# KiCad board PCB.kicad_pcb (continued)
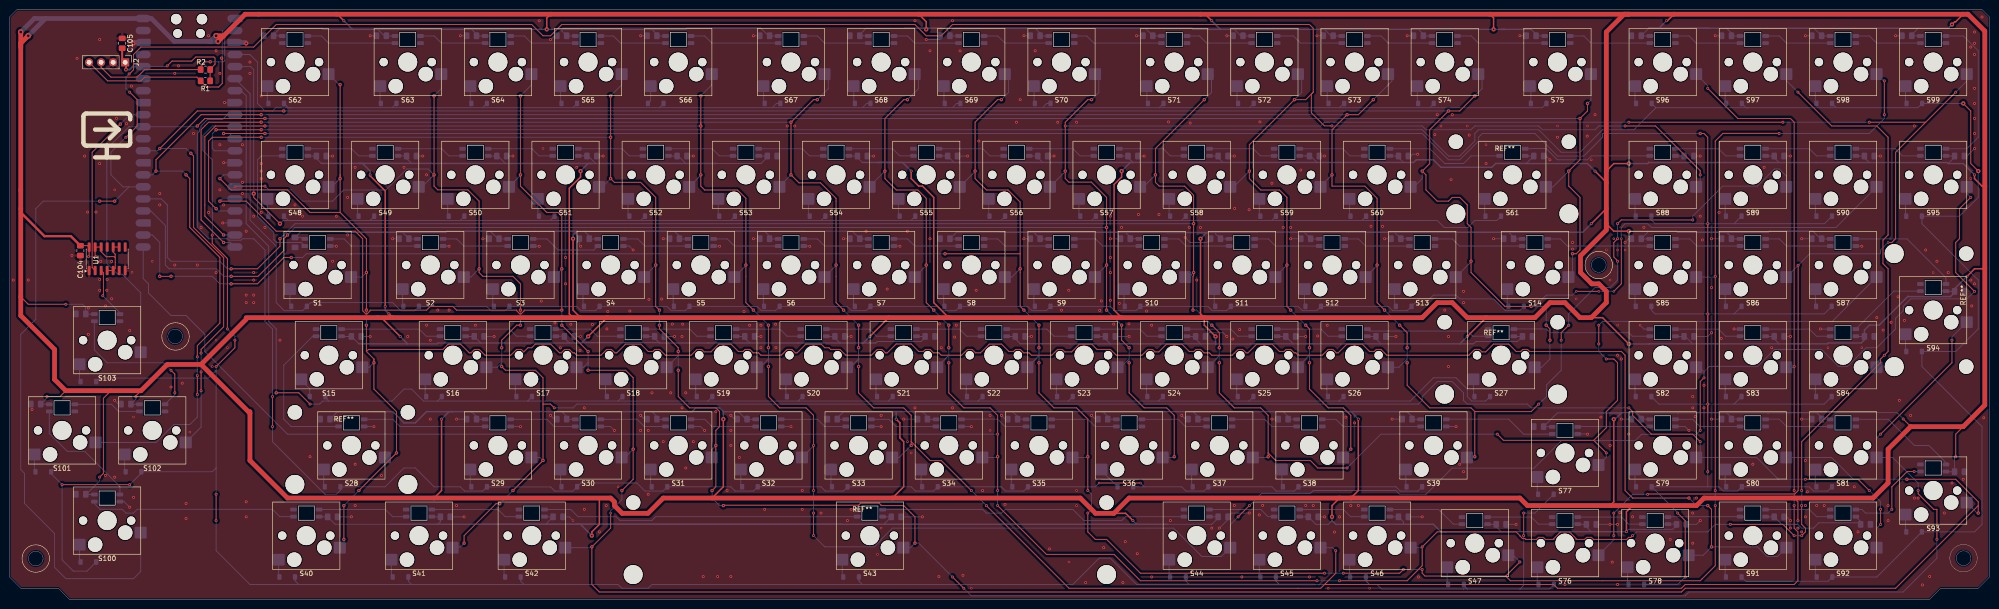
[diagram p0: board, top side]
## Routing (per net, layer and track width the routed paths; a pad name or vN(x,y) marks a point on that pad's centre or on a via; arc(x,y) is an arc through that point) (continued)
GND: length 226.7
  Bottom w0.2: v2(119.06,16.67) 118.26,17.46 C8.2 ; D150.3 345.3,57.1 v2(344.47,57.94) ; C30.2 153.18,38.1 v1(152.39,38.89) ; v1(22.22,42.07) 23.02,41.27 C3.2 ; C44.2 v1(273.83,55.56) ; D132.3 165.05,36.55 v1(165.09,36.51) ; C93.2 v1(238.11,119.06) ; v1(376.21,16.67) 375.42,17.46 C16.2 ; C67.2 v1(68.26,93.66) ; C91.2 v1(276.21,119.06) ; v1(339.7,15.87) v1(338.12,15.87) C14.2 ; D164.3 188.06,74.65 v1(188.11,74.61) ; C70.2 v1(125.4,93.66) ; v1(76.99,36.51) 76.95,36.55 D136.3 ; C11.2 v1(277.8,17.46) ; C48.2 v1(376.21,55.56) ; v1(133.34,38.89) 134.14,38.1 C31.2 ; C56.2 252.95,75.4 249.42,75.4 v1(248.38,76.45) ; v1(120.64,74.61) 120.4,74.85 C63.2 ; v1(114.29,118.26) 115.09,119.06 C99.2 ; C94.2 v1(214.3,119.06) ; C89.2 v1(319.07,119.06) ; C60.2 v1(176.2,76.2) ; C98.2 v1(133.34,119.06) ; C75.2 v1(220.65,93.66) ; D166.3 149.97,74.65 v1(150.01,74.61) ; C20.2 v1(359.55,38.1) ; A1.13 45.28,92.23 v1(45.26,92.25) ; C86.2 v1(398.44,119.06) ; v1(382.56,57.15) 382.61,57.1 D152.3 ; D133.3 146,36.55 v1(146.83,35.72) ; v1(131.75,73.81) 130.92,74.65 D167.3 ; v1(228.59,38.89) 229.38,38.1 C26.2 ; v1(203.19,36.51) 203.14,36.55 D130.3 ; C5.2 v1(72.23,17.46) ; C32.2 115.09,38.1 v1(114.29,38.89) ; v1(193.66,118.26) 196.53,118.26 196.59,118.33 C95.2 ; C13.2 v1(318.27,15.87) ; C45.2 v1(292.88,55.56) ; C73.2 v1(182.55,93.66) ; C61.2 v1(157.15,76.2) ; D154.3 391.25,74.65 v1(391.29,74.61) ; C103.2 v1(360.34,119.06) ; C47.2 358.75,55.56 v1(359.55,56.35) ; C15.2 356.37,15.87 v1(357.17,16.67) ; C83.2 v1(376.21,93.66) ; C57.2 v1(270.65,76.2) ; C54.2 v1(313.51,76.2) ; C52.2 v1(359.55,76.2) ; C39.2 v1(177.79,55.56) ; C77.2 v1(258.75,93.66) ; D169.3 92.82,74.65 v1(92.86,74.61) ; v1(45.43,104.95) 45.46,104.93 A1.8 ; D134.3 126.95,36.55 v1(127.79,35.72) ; C35.2 v1(102.39,55.56) ; C80.2 324.62,93.66 v1(325.42,92.86) ; D125.3 305.53,36.55 v1(305.57,36.51) ; C7.2 v1(96.04,17.46) ; C76.2 v1(239.7,93.66) ; C68.2 v1(87.31,93.66) ; C42.2 v1(236.52,55.56) ; v1(415.11,95.24) 413.52,93.66 C85.2 ; C53.2 342.08,76.2 v1(341.29,75.4) ; C78.2 v1(277.8,93.66) ; C100.2 v1(95.24,119.06) ; C12.2 v1(298.43,17.46) ; C79.2 296.05,93.66 296.44,94.04 v1(297.46,94.04) ; D124.3 333.31,34.97 v1(333.35,34.92) ; D165.3 169.01,74.65 v1(169.06,74.61) ; v1(45.05,79.53) 45.06,79.53 A1.18 ; C55.2 v1(290.49,76.2) ; v1(107.94,36.51) 107.9,36.55 D135.3 ; C59.2 v1(214.3,76.2) ; C62.2 v1(138.1,76.2) ; C65.2 v1(80.96,76.2) ; v1(25.4,19.49) 24.21,20.68 D107.3 ; C74.2 v1(202.39,93.66) ; C24.2 v1(266.68,38.1) ; C82.2 v1(357.17,93.66) ; v1(354.78,35.72) 353.95,36.55 D123.3 ; C41.2 v1(215.89,55.56) ; C92.2 v1(257.16,119.06) ; C37.2 v1(140.48,55.56) ; C21.2 v1(340.5,38.1) ; D131.3 184.09,36.55 v1(184.14,36.51) ; C23.2 v1(292.08,38.1) ; v1(255.57,15.08) 257.4,16.91 C10.2 258.2,18.26 v1(261.92,18.26) ; v1(364.31,57.15) 364.35,57.1 D151.3 ; C33.2 v1(94.45,38.1) ; C87.2 v1(379.39,119.06) ; D168.3 111.87,74.65 v1(111.91,74.61) ; v1(69.05,74.61) 69.01,74.65 D170.3 ; C43.2 253.43,56.35 256.37,56.35 v1(257.16,55.56) ; C71.2 v1(144.45,93.66) ; C27.2 210.33,38.1 v1(209.54,38.89) ; C28.2 v1(188.9,38.1) ; C51.2 v1(378.59,76.2) ; C90.2 v1(295.26,119.06) ; C84.2 v1(395.26,93.66) ; C34.2 v1(76.2,55.56) ; C101.2 v1(76.2,119.06) ; C58.2 v1(232.55,76.2) ; v1(247.63,38.89) 248.43,38.1 C25.2 ; C69.2 v1(106.36,93.66) ; C97.2 v1(157.15,119.06) ; C36.2 v2(120.64,55.56) ; C64.2 v1(100.01,76.2) ; C9.2 v1(192.87,17.46) ; C19.2 v1(378.59,38.1) ; C38.2 v1(158.74,55.56)
  Bottom w1: v4(50,117.47) 49.84,117.63 A1.3 ; A1.38 26.35,117.63 v4(26.19,117.47)
  vias: v1(0.79,67.46) v1(3.97,67.46) v1(4.76,40.13) v1(13.2,72.67) v1(14.29,114.29) v1(14.98,69.12) v1(15.87,93.66) v1(16.5,81.82) v1(16.67,61.56) v1(16.67,56) v1(18.28,81.82) v1(19.05,118.26) v1(19.05,92.07) v1(19.05,67.59) v1(19.04,65.31) v1(19.3,71.4) v1(20.26,26.22) v1(20.31,62) v1(20.57,65.31) v1(20.64,67.59) v1(21.58,71.4) v1(21.58,63.53) v1(22.22,25.84) v1(22.6,101.63) v1(24.73,100.49) v1(25.4,56.8) v1(25.78,108.43) v1(26.2,21.58) v1(31.75,85.72) v1(31.75,83.34) v1(34.13,44.89) v1(34.92,111.12) v1(34.92,70.64) v1(35.72,112.71) v1(36.51,45.69) v1(37.3,20.29) v1(37.3,17.11) v1(38.89,98.42) v1(39.69,70.64) v1(40.48,78.58) v1(42.07,119.06) v1(42.07,81.75) v1(43.65,115.88) v1(43.65,69.05) v1(44.45,111.12) v1(44.45,96.04) v1(44.45,86.51) v1(45.24,83.34) v1(49.21,96.04) v1(49.21,88.1) v1(49.21,85.72) v1(50,77.78) v1(50,64.29) v1(50,62.7) v1(50,20.64) v1(50,17.46) v1(50.8,113.5) v1(50.8,111.12) v1(51.59,80.96) v1(51.59,69.05) v1(51.59,67.46) v1(51.59,64.29) v1(51.59,62.7) v1(53.18,106.36) v1(53.18,92.07) v1(53.18,90.48) v1(53.18,88.89) v1(53.18,81.75) v1(53.97,78.58) v1(57.15,54.77) v1(60.32,83.34) v1(61.91,80.96) v1(63.5,30.16) v1(68.26,71.43) v1(69.05,80.96) v1(71.43,84.93) v1(71.43,76.99) v1(73.02,91.28) v1(73.02,28.57) v1(73.02,19.84) v1(78.58,26.19) v1(83.34,91.28) v1(84.13,55.56) v1(88.1,89.69) v1(88.1,57.94) v1(88.89,54.77) v1(88.89,38.1) v1(90.48,61.11) v1(92.86,61.11) v1(94.45,19.84) v1(98.42,57.94) v1(111.91,122.23) v1(112.34,63.02) v1(115.23,58.43) v1(116.36,53.16) v1(117.47,72.23) v1(117.47,66.67) v1(118.58,58.13) v1(119.85,91.28) v1(120.54,52.63) v1(121.44,40.48) v1(121.44,19.05) v1(123.15,58.11) v1(124.61,14.29) v1(126.07,19.83) v1(126.2,57.15) v1(126.4,60.85) v1(131.06,60.93) v1(133.34,35.72) v1(134.93,35.72) v1(134.93,22.22) v1(135.08,63.39) v1(135.72,43.65) v1(137.78,63.46) v1(138.1,33.34) v1(139.69,43.65) v1(140.03,58.16) v1(142.07,55.56) v1(142.07,40.48) v1(142.21,58.15) v1(142.87,43.65) v1(142.87,27.78) v1(144.45,33.34) v1(146.55,4.85) v1(149.22,39.69) v1(149.6,4.85) v1(151.6,43.65) v1(151.6,23.02) v1(152.39,35.72) v1(152.39,32.54) v1(152.39,4.85) v1(154.17,30) v1(155.17,60.84) v1(156.36,57.94) v1(158.74,57.94) v1(158.74,53.18) v1(159.53,19.05) v1(161.85,58.15) v1(161.91,53.18) v1(164.3,100.01) v1(165.88,100.01) v1(167.47,23.02) v1(167.47,19.05) v1(171.44,18.26) v1(177,16.67) v1(177.79,19.05) v1(180.96,77.78) v1(184.14,38.89) v1(185.41,65.56) v1(189.69,77.78) v1(191.28,122.23) v1(191.28,40.48) v1(194.46,115.88) v1(194.46,76.2) v1(196.34,4.85) v1(196.45,58.21) v1(196.84,53.18) v1(199.22,122.23) v1(199.22,40.48) v1(199.67,55.42) v1(200.01,57.94) v1(200.81,115.88) v1(201.42,5.11) v1(204.21,65.31) v1(204.77,96.83) v1(205.57,23.02) v1(207.16,38.89) v1(210.31,20.09) v1(212.71,100.8) v1(213.51,105.56) v1(216.68,115.88) v1(219.7,10.7) v1(221.44,100.8) v1(222.24,62.7) v1(222.24,61.11) v1(223.77,65.31) v1(225.41,100.8) v1(227.32,3.58) v1(230.32,61.06) v1(230.65,63.07) v1(231.13,10.95) v1(232.55,80.96) v1(232.55,72.23) v1(232.55,69.05) v1(232.55,63.19) v1(233.26,58.16) v1(234.44,62.54) v1(234.94,78.58) v1(235.2,3.58) v1(235.71,12.22) v1(236.49,58.22) v1(238.25,9.68) v1(238.5,81.31) v1(240.2,60.91) v1(241.28,57.94) v1(241.28,4.76) v1(242.82,81.31) v1(244.85,100.87) v1(245.25,16.67) v1(249.22,78.58) v1(249.42,100.61) v1(250.81,67.46) v1(251.6,78.58) v1(253.98,15.08) v1(258.43,55.02) v1(258.75,19.84) v1(258.82,82.58) v1(259.86,57.01) v1(260.33,4.76) v1(261.87,82.32) v1(264.02,17.87) v1(264.15,100.87) v1(264.74,19.89) v1(266.69,87.91) v1(269.06,78.58) v1(270.65,78.58) v1(272.79,90.71) v1(273.83,19.84) v1(274.62,4.76) v1(275.41,19.84) v1(276.37,55.66) v1(278.36,57.92) v1(279.9,14.25) v1(280.97,17.46) v1(282.3,38.51) v1(283.35,19.84) v1(284.14,37.3) v1(284.94,19.84) v1(287.62,78.83) v1(290.04,78.81) v1(297.64,4.76) v1(301.09,98.17) v1(301.61,102.39) v1(303.19,61.11) v1(303.99,55.56) v1(303.99,49.21) v1(304.54,88.67) v1(304.78,102.39) v1(306.37,28.57) v1(307.16,65.08) v1(307.16,62.7) v1(307.16,26.99) v1(308.36,98.09) v1(311.92,92.07) v1(327,97.63) v1(328.59,3.17) v1(330.18,75.4) v1(330.19,73.99) v1(333.29,97.86) v1(334.94,102.39) v1(336.19,38.53) v1(338.12,32.54) v1(338.58,7.9) v1(339.7,51.59) v1(339.7,3.17) v1(340.19,18.35) v1(340.5,50.8) v1(342.08,34.92) v1(342.88,17.46) v1(345.26,78.58) v1(350.82,12.7) v1(355.58,42.86) v1(355.58,40.48) v1(355.58,18.26) v1(355.58,11.91) v1(356.1,38.64) v1(356.37,21.43) v1(357.17,80.96) v1(357.63,75.94) v1(357.96,45.24) v1(357.96,40.48) v1(359.55,65.88) v1(361.13,81.75) v1(361.6,55.13) v1(368.28,28.57) v1(370.66,91.28) v1(372.25,53.18) v1(376.21,15.08) v1(379.39,29.37) v1(379.39,17.46) v1(379.79,22.75) v1(381.77,19.84) v1(383.36,19.84) v1(389.71,23.81) v1(390.5,14.29) v1(394.47,59.53) v1(395.81,56.89) v1(396.85,19.84) v1(396.85,16.67) v1(397.48,58.55) v1(398.95,63.93) v1(399.23,42.07) v1(400.3,58.96) v1(401.61,38.89) v1(402.41,100.01) v1(402.41,21.43) v1(403.2,21.43) v1(404.11,3.08) v1(404.79,73.81) v1(405.63,4.85) v1(407.17,71.43) v1(408.76,18.26) v1(409.55,69.05) v1(410.34,24.6) v1(412.72,25.4) v1(414.31,116.67) v1(414.31,67.46) v1(414.52,62) v1(415.11,119.85) v1(415.11,117.47) v1(415.11,115.09) v1(415.11,107.94) v1(415.11,104.77) v1(415.11,101.59) v1(415.11,98.42) v1(415.11,66.67) v1(416.69,123.02) v1(417.06,38.38) v2(22.22,86.51) v2(25.9,69.12) v2(26.19,38.54) v2(30.16,71.43) v2(38.1,35.37) v2(42.86,49.21) v2(43.65,54.77) v2(46.03,53.18) v2(112.71,95.24) v2(128.58,23.81) v2(183.34,9.52) v2(184.14,15.08) v2(189.69,33.34) v2(190.49,30.95) v2(203.19,2.38) v2(207.16,35.72) v2(223.82,7.94) v2(225.41,23.02) v2(225.41,19.84) v2(278.59,2.38) v2(287.32,2.38) v2(302.4,100.01) v2(307.96,100.01) v2(311.92,96.04) v2(327,100.01) v2(330.97,63.5) v2(333.35,100.01) v2(334.15,92.86) v2(337.35,73.86) v2(338.12,67.46) v2(339.7,73.81) v2(339.7,57.94) v2(341.29,73.81) v2(384.15,53.18) v2(391.29,53.18) v2(406.37,69.05) v2(414.31,88.89)
(no net):
  vias: v1(377.8,15.08) v1(378.59,14.29) v1(379.39,19.84) v2(338.91,76.2)
COL 0: length 535.1
  Top w0.2: v3(76.99,50) 76.99,50.8 ; 76.99,50.8 75.4,52.38 ; 76.99,50.8 76.99,44.45 81.75,39.69 v3(81.75,30.95) v3(73.81,23.02) ; 75.4,52.38 v3(75.4,57.94) ; 75.4,52.38 75.83,52.82 91.56,52.82 92.68,53.94 95.27,53.94 97.12,52.1 97.51,52.1 98.23,52.82 99.24,52.82 100.47,51.59 105.89,51.59 107.12,52.82 108.13,52.82 108.65,52.3 109.53,53.18 110.32,53.18 111.09,53.94 114.32,53.94 116.17,52.1 116.56,52.1 117.28,52.82 118.29,52.82 119.01,52.1 119.34,52.1 119.85,51.59 124.94,51.59 126.17,52.82 127.18,52.82 127.9,52.1 128.29,52.1 130.14,53.94 133.37,53.94 134.93,52.38 135.89,52.38 136.33,52.82 137.34,52.82 138.57,51.59 143.99,51.59 145.21,52.82 146.23,52.82 146.75,52.3 148.18,52.3 149.83,53.94 152.42,53.94 153.98,52.38 154.94,52.38 155.37,52.82 156.39,52.82 157.11,52.1 158.23,52.1 158.74,51.59 163.04,51.59 164.26,52.82 165.28,52.82 166,52.1 166.39,52.1 168.23,53.94 171.47,53.94 172.23,53.18 173.1,53.18 173.46,52.82 175.44,52.82 176.66,51.59 182.09,51.59 183.31,52.82 184.33,52.82 185.05,52.1 185.44,52.1 187.31,53.97 190.49,53.97 192.08,52.38 193.04,52.38 193.47,52.82 194.49,52.82 195.21,52.1 196.33,52.1 196.84,51.59 201.13,51.59 202.36,52.82 203.38,52.82 204.09,52.1 205.13,52.1 206.97,53.94 209.57,53.94 211.12,52.38 212.09,52.38 212.52,52.82 213.54,52.82 214.25,52.1 215.38,52.1 215.89,51.59 220.18,51.59 221.41,52.82 222.42,52.82 222.94,52.3 224.38,52.3 226.02,53.94 228.62,53.94 229.74,52.82 232.58,52.82 233.81,51.59 239.23,51.59 240.46,52.82 241.47,52.82 241.99,52.3 242.79,52.3 244.43,53.94 247.66,53.94 249.22,52.38 250.19,52.38 250.62,52.82 251.63,52.82 252.35,52.1 253.48,52.1 253.98,51.59 258.28,51.59 259.51,52.82 260.52,52.82 261.24,52.1 261.64,52.1 263.48,53.94 266.71,53.94 268.27,52.38 269.23,52.38 269.67,52.82 270.68,52.82 271.4,52.1 271.73,52.1 272.24,51.59 277.33,51.59 278.56,52.82 279.57,52.82 280.29,52.1 280.68,52.1 282.53,53.94 285.76,53.94 287.32,52.38 288.28,52.38 288.72,52.82 289.73,52.82 290.96,51.59 308.28,51.59 309.51,52.82 310.53,52.82 311.04,52.3 311.84,52.3 313.48,53.94 316.72,53.94 318.27,52.38 319.24,52.38 319.67,52.82 320.69,52.82 321.12,52.38 340.5,52.38 341.29,51.59 341.29,23.02 342.88,21.43 v3(354.78,21.43) ; 69.85,81.75 63.5,81.75 58.73,86.51 46.83,86.51 v3(44.45,88.89) ; 69.85,81.75 75.4,76.2 v3(75.4,69.05) v3(75.4,61.11) ; 69.85,81.75 69.85,89.69 ; 69.85,89.69 v3(69.85,88.89) ; 69.85,89.69 v3(69.85,108.74) ; v3(359.55,11.11) 359.55,19.05 v3(358.75,19.84) ; v3(70.64,19.84) v3(70.64,12.7)
  Bottom w0.2: v3(75.4,61.11) v3(75.4,57.94) ; v3(75.4,69.05) 74.45,68.1 S1.1 ; v3(81.75,30.95) 80.8,30 S28.1 ; v3(70.64,12.7) 70.64,11.81 S40.1 ; A1.14 45.24,89.69 v3(44.45,88.89) ; S78.1 357.8,9.37 v3(359.55,11.11) 369.27,11.11 371.31,9.08 373.48,9.08 S91.1 ; S62.1 69.63,108.74 v3(69.85,108.74) ; S15.1 76.04,49.05 v3(76.99,50) ; v3(358.75,19.84) 356.37,19.84 v3(354.78,21.43) ; S48.1 68.1,87.15 v3(69.85,88.89) ; v3(73.81,23.02) v3(70.64,19.84)
COL 1: length 506.4
  Top w0.2: v3(107.94,57.94) 107.15,57.94 103.97,54.77 v3(103.97,53.18) ; v1(115.09,40.48) 114.29,41.27 112.71,41.27 ; v1(392.88,23.02) 390.5,25.4 v1(379.39,25.4) ; 112.71,41.27 v3(112.71,29.37) v3(106.36,23.02) ; 112.71,41.27 112.71,46.83 111.12,48.42 104.77,48.42 v3(103.97,49.21) ; v3(103.58,20.24) 102.78,20.24 96.04,13.49 v3(96.04,11.91) ; v1(395.26,19.05) v1(395.26,15.87) ; v1(47.63,87.15) 47.79,87.31 v1(53.97,87.31) ; v3(89.69,106.36) v3(89.69,89.69) 89.69,87.31 90.48,86.51 96.83,86.51 99.21,84.13 v3(99.21,69.85) 99.21,69.05 100.01,68.26 106.36,68.26 107.94,66.67 v3(107.94,61.11) ; v1(357.17,33.34) 355.58,34.92 346.85,34.92 342.88,38.89 342.88,39.69 v1(342.08,40.48)
  Bottom w0.2: v1(357.17,33.34) 357.17,30.85 S79.1 369.08,30 373.69,25.4 v1(379.39,25.4) ; S49.1 87.15,87.15 v3(89.69,89.69) 88.46,90.91 83.94,90.91 79.51,86.48 70.61,86.48 68.26,84.13 61.91,84.13 59.53,86.51 54.77,86.51 v1(53.97,87.31) ; 103.97,50 103.02,49.05 S16.1 ; 103.97,50 v3(103.97,53.18) ; 103.97,50 v3(103.97,49.21) ; v3(103.58,20.24) v3(106.36,23.02) ; S92.1 394.41,15.02 v1(395.26,15.87) ; v3(99.21,69.85) 97.47,68.1 S2.1 ; v3(96.04,11.91) 95.24,11.11 93.76,11.11 S41.1 ; v1(342.08,40.48) 321.45,40.48 320.65,41.27 307.96,41.27 307.16,42.07 307.16,43.65 304.78,46.03 301.61,46.03 298.43,42.86 298.43,42.07 297.64,41.27 119.85,41.27 119.06,40.48 v1(115.09,40.48) ; v3(89.69,106.36) 91.22,107.88 S63.1 ; v1(395.26,19.05) 395.26,20.64 v1(392.88,23.02) ; S29.1 112.07,30 v3(112.71,29.37) ; v3(107.94,61.11) v3(107.94,57.94)
COL 2: length 593.4
  Top w0.2: v2(126.99,18.26) 126.99,15.08 v3(123.02,11.11) 123.02,3.17 124.61,1.59 353.2,1.59 353.99,2.38 398.44,2.38 415.9,19.84 ; v3(122.23,48.42) 130.17,48.42 131.75,46.83 v3(131.75,31.75) 131.75,25.4 v3(129.37,23.02) ; 415.9,19.84 v3(415.9,18.26) ; 415.9,19.84 415.9,20.64 411.14,25.4 v3(400.82,25.4) ; v3(116.67,57.94) v3(122.23,52.38) ; v3(107.94,106.36) 107.94,87.31 113.5,81.75 115.88,81.75 116.67,80.96 v3(116.67,61.11) 108.74,61.11 108.74,60.99 108.08,60.33 107.81,60.33 107.15,60.99 107.15,61.11 94.45,61.11 93.66,61.91 88.89,61.91 88.1,61.11 76.2,61.11 76.2,60.99 75.54,60.33 75.27,60.33 74.61,60.99 74.61,76.2 73.02,77.78 56.35,77.78 50,84.13 v3(44.45,84.13)
  Bottom w0.2: v3(116.67,61.11) v3(116.67,57.94) ; v3(122.23,52.38) 122.23,50 ; 122.23,50 121.28,49.05 S17.1 119.95,49.21 ; 122.23,50 v3(122.23,48.42) ; S50.1 107.94,89.59 ; S64.1 110.26,108.68 v3(107.94,106.36) ; S80.1 384.9,30 389.5,25.4 v3(400.82,25.4) ; S3.1 116.67,69.75 ; v3(131.75,31.75) 130.01,30 S30.1 ; v3(415.9,18.26) 415.68,18.26 S93.1 ; v2(126.99,18.26) 126.99,18.71 129.37,21.09 v3(129.37,23.02) ; v3(123.02,11.11) 122.86,10.95 S42.1 ; A1.16 44.92,84.61 v3(44.45,84.13)
  vias: v3(107.94,89.69) v3(116.67,69.85)
COL 3: length 567.3
  Top w0.2: v1(395.26,34.92) 410.34,50 v1(410.34,54.77) ; v3(137.31,61.11) 136.52,61.91 v3(136.52,70.64) 136.52,84.93 133.34,88.1 127.79,88.1 v3(126.99,88.89) v3(126.99,97.63) v3(126.99,106.36) ; v1(407.17,12.7) 407.17,19.05 406.48,19.05 403.2,22.33 v1(403.2,23.02) ; v3(43.65,82.54) 42.07,84.13 42.07,96.83 42.86,97.63 v3(53.18,97.63) ; v3(137.31,57.94) 137.31,57.15 141.28,53.18 v3(141.28,52.38) ; v1(201.6,2.38) v1(199.22,4.76) ; v3(191.28,11.91) 191.28,17.46 188.9,19.84 184.14,19.84 184.14,19.92 183.71,20.36 179.81,20.36 179.38,19.92 179.38,19.84 179.3,19.92 150.88,19.92 v3(150.8,19.84) ; v3(141.28,48.42) 141.28,42.86 143.66,40.48 149.22,40.48 150.01,39.69 150.01,36.51 149.22,35.72 v3(149.22,32.54) 149.22,23.81 v3(148.42,23.02)
  Bottom w0.2: v3(126.99,106.36) 129.31,108.68 S65.1 ; v1(201.6,2.38) 203.19,0.79 353.99,0.79 354.78,1.59 400.02,1.59 407.17,8.73 v1(407.17,12.7) ; S94.1 410.34,55.46 v1(410.34,54.77) ; v3(136.52,70.64) 134.08,68.2 S4.1 ; v3(126.99,88.89) 125.25,87.15 S51.1 ; v1(199.22,4.76) 192.08,11.91 v3(191.28,11.91) 190.33,10.95 S43.1 ; S31.1 148.36,31.69 v3(149.22,32.54) ; 141.28,51.49 S18.1 ; 141.28,51.49 v3(141.28,52.38) ; 141.28,51.49 v3(141.28,48.42) ; v3(43.65,82.54) 44.13,82.07 A1.17 ; v3(150.8,19.84) 150.01,19.84 148.42,21.43 v3(148.42,23.02) ; v3(126.99,97.63) v3(53.18,97.63) ; v3(137.31,61.11) v3(137.31,57.94) ; v1(395.26,34.92) 394.41,34.07 S81.1 397.8,30 403.2,24.6 v1(403.2,23.02)
COL 4: length 576.6
  Top w0.2: v1(414.31,84.93) 411.93,82.54 411.93,76.2 411.14,75.4 411.14,69.05 v1(415.11,65.08) ; v1(259.54,17.46) v1(261.92,19.84) ; v3(45.24,76.99) 41.27,80.96 41.27,97.75 43.53,100.01 v3(53.97,100.01) ; v1(357.96,46.83) 357.17,46.03 v1(357.17,35.72) ; 146.04,100.8 v3(146.04,100.01) ; 146.04,100.8 146.04,87.31 146.86,86.48 153.8,86.48 155.57,84.72 155.57,62.7 v3(157.15,61.11) ; 146.04,100.8 v3(146.04,106.36) ; v3(160.33,57.94) v3(160.33,53.18) ; v3(160.33,49.21) 160.33,42.86 162.71,40.48 168.26,40.48 169.85,38.89 v1(169.85,23.02) ; v1(169.85,13.49) v1(169.85,18.26)
  Bottom w0.2: S52.1 146.04,89.59 ; S82.1 357.01,49.05 357.96,48.1 ; S95.1 413.46,85.78 v1(414.31,84.93) ; S66.1 148.36,108.68 v3(146.04,106.36) ; 357.96,48.1 v1(357.96,46.83) ; 357.96,48.1 359.1,49.24 369.27,49.24 372.85,52.82 382.77,52.82 386.35,49.24 388.3,49.24 392.24,53.18 394.47,53.18 398.44,57.15 398.44,59.38 400.07,61.01 400.07,61.95 401.61,63.5 413.52,63.5 v1(415.11,65.08) ; v1(261.92,19.84) 264.51,22.43 274.83,22.43 275.41,23.02 292.88,23.02 293.67,22.22 299.22,22.22 304.75,27.75 322.06,27.75 327.88,33.57 343.44,33.57 344.76,34.89 356.34,34.89 v1(357.17,35.72) ; 160.33,50.8 v3(160.33,49.21) ; 160.33,50.8 158.58,49.05 S19.1 ; 160.33,50.8 v3(160.33,53.18) ; v3(146.04,100.01) v3(53.97,100.01) ; v1(259.54,17.46) 257.89,15.81 S44.1 256.02,9.08 251.9,9.08 245.9,15.08 186.52,15.08 184.14,12.7 184.14,12.55 182.73,11.14 172.2,11.14 v1(169.85,13.49) ; S5.1 155.57,70.54 ; v3(157.15,61.11) v3(160.33,57.94) ; v3(45.24,76.99) 45.24,76.99 A1.19 ; v1(169.85,18.26) v1(169.85,23.02) ; S32.1 169.85,32.44
  vias: v1(169.85,32.54) v3(146.04,89.69) v3(155.57,70.64)
COL 5: length 605.3
  Top w0.2: 190.49,33.34 194.49,29.34 196.87,29.34 v1(203.19,23.02) ; 190.49,33.34 190.49,38.89 188.9,40.48 182.55,40.48 179.38,43.65 v3(179.38,49.21) ; 190.49,33.34 v3(190.49,32.54) ; v1(377.01,23.02) v1(377.01,49.21) 377.01,100.8 376.21,101.59 365.1,101.59 v1(358.75,107.94) ; v1(206.36,19.84) 223.82,2.38 277,2.38 277.8,3.17 ; 277.8,3.17 326.21,3.17 327,2.38 353.2,2.38 353.99,3.17 377.01,3.17 377.8,3.97 377.8,14.29 377.01,15.08 v1(377.01,19.84) ; 277.8,3.17 280.18,5.56 v1(280.18,10.32) ; v3(170.65,105.56) 169.85,105.56 v3(165.09,100.8) v3(165.09,89.69) 166.78,88 171.34,88 174.61,84.72 174.61,62.7 v3(176.2,61.11) ; v3(179.38,57.94) v3(179.38,53.18) ; v3(53.18,100.8) 42.07,100.8 40.48,99.21 40.48,80.16 v3(45.24,75.4)
  Bottom w0.2: S6.1 174.61,70.54 ; S53.1 162.65,87.25 v3(165.09,89.69) ; 172.97,110.96 172.97,107.88 v3(170.65,105.56) ; v3(45.24,75.4) 46.67,75.4 A1.20 ; v1(280.18,10.32) 279.54,10.95 S45.1 ; v1(358.75,107.94) 358.75,108.52 S96.1 ; v3(179.38,53.18) 179.38,50.8 ; 179.38,50.8 v3(179.38,49.21) ; 179.38,50.8 177.63,49.05 S20.1 ; v3(190.49,32.54) 187.95,30 S33.1 ; v3(165.09,100.8) v3(53.18,100.8) ; v1(377.01,49.21) 376.85,49.05 S83.1 ; v1(203.19,23.02) v1(206.36,19.84) ; v3(176.2,61.11) v3(179.38,57.94) ; v1(377.01,23.02) v1(377.01,19.84)
  vias: v3(174.61,70.64)
COL 6: length 644.4
  Top w0.2: v1(276.21,3.97) 238.9,3.97 233.35,9.52 219.06,9.52 v1(208.74,19.84) ; v1(280.97,3.97) 295.26,3.97 298.43,7.14 v1(298.43,11.11) 301.61,14.29 318.27,14.29 319.07,13.49 319.07,13.44 319.61,12.89 320.11,12.89 320.3,12.7 322.57,12.7 323,13.13 324.02,13.13 324.45,12.7 326.24,12.7 326.24,12.88 327.62,14.26 329.56,14.26 330.94,12.88 330.94,12.7 332.73,12.7 333.16,13.13 334.18,13.13 334.61,12.7 341.62,12.7 342.05,13.13 342.52,13.13 v1(342.88,13.49) ; v1(208.74,23.02) v3(208.74,30.16) v1(208.74,34.92) 208.74,38.89 207.16,40.48 201.6,40.48 198.43,43.65 v3(198.43,50) ; v1(378.59,19.84) 378.59,15.87 379.39,15.08 379.39,14.29 v1(378.59,13.49) ; v1(363.51,15.87) 374.63,15.87 v1(377.01,13.49) ; v1(377.8,107.15) 384.94,100.01 394.47,100.01 396.85,97.63 396.85,76.99 395.76,75.9 395.76,70.93 396.85,69.85 396.85,52.38 v1(396.06,51.59) 395.26,50.8 395.26,50 378.59,33.34 v1(378.59,23.02) ; v3(195.25,61.11) 193.66,62.7 193.66,84.72 191.9,86.48 187.34,86.48 184.93,88.89 v3(184.93,90.48) 184.93,101.59 188.9,105.56 v3(189.69,105.56) ; v3(198.43,57.94) v3(198.43,53.18)
  Bottom w0.2: A1.21 28.25,67.79 29.37,66.67 29.37,64.73 34.13,59.97 37.3,59.97 41.27,56 41.27,52.38 58.73,34.92 v1(208.74,34.92) ; v1(396.06,51.59) 394.41,49.94 S84.1 ; S21.1 195.98,49.15 198.43,51.59 ; 198.43,51.59 v3(198.43,50) ; 198.43,51.59 v3(198.43,53.18) ; v3(189.69,105.56) 192.02,107.88 192.02,110.96 ; S54.1 181.7,87.25 v3(184.93,90.48) ; v1(378.59,13.49) v1(377.01,13.49) ; v3(193.66,70.64) 193.66,70.53 S7.1 ; v1(298.43,11.11) 298.27,10.95 S46.1 ; v1(363.51,15.87) 360.34,15.87 358.75,14.29 343.67,14.29 v1(342.88,13.49) ; S34.1 208.58,30 v3(208.74,30.16) ; S97.1 375.36,109.59 v1(377.8,107.15) ; v1(208.74,19.84) v1(208.74,23.02) ; v1(378.59,23.02) v1(378.59,19.84) ; v3(195.25,61.11) v3(198.43,57.94) ; v1(280.97,3.97) v1(276.21,3.97)
COL 7: length 615.9
  Top w0.2: 316.08,4.95 v1(319.07,7.94) ; 316.08,4.95 317.06,3.97 357.17,3.97 360.34,7.14 v1(360.34,19.84) ; 316.08,4.95 299.04,4.95 298.43,5.56 v1(298.43,6.35) ; v1(227.79,18.26) 227.79,14.29 229.38,12.7 231.76,12.7 238.9,5.56 v1(277.8,5.56) ; 213.51,73.02 v3(197.63,73.02) ; v1(281.76,5.56) 293.67,5.56 v1(294.46,6.35) ; v3(34.13,68.26) v3(31.75,68.26) ; v1(373.83,98.42) 373.81,98.45 361.95,98.45 360.34,96.83 v1(360.34,68.26) v1(360.34,23.02) ; v3(214.3,61.11) 213.51,61.91 v3(213.51,69.85) 213.51,83.93 210.95,86.48 206.39,86.48 203.98,88.89 203.98,100.8 208.74,105.56 v3(209.54,105.56) ; v3(59.53,72.23) 57.94,72.23 52.38,66.67 v3(46.83,66.67) ; v3(217.47,57.94) v3(217.47,53.18) ; v3(217.47,50) 217.47,43.65 220.65,40.48 225.41,40.48 227.79,38.1 v3(227.79,30.16) v1(227.79,23.02) ; v1(396.06,102.39) v1(396.06,109.53)
  Bottom w0.2: S55.1 203.98,90.38 ; S47.1 317.64,9.37 v1(319.07,7.94) ; S85.1 360.18,68.1 v1(360.34,68.26) ; v3(214.3,61.11) v3(217.47,57.94) ; v1(360.34,19.84) v1(360.34,23.02) ; S8.1 211.76,68.1 v3(213.51,69.85) ; v1(396.06,109.53) 395.84,109.53 S98.1 ; v1(373.83,98.42) 392.88,98.42 396.06,101.59 v1(396.06,102.39) ; v3(227.79,30.16) 227.63,30 S35.1 ; v3(209.54,105.56) 211.06,107.09 211.06,110.96 ; v1(227.79,23.02) 228.59,22.22 228.59,19.05 v1(227.79,18.26) ; v3(46.83,66.67) 44.45,66.67 42.86,68.26 v3(34.13,68.26) ; v3(31.75,68.26) 31.75,75.4 30.16,76.99 A1.22 ; v1(277.8,5.56) v1(281.76,5.56) ; 217.47,51.49 v3(217.47,50) ; 217.47,51.49 v3(217.47,53.18) ; 217.47,51.49 S22.1 ; v3(197.63,73.02) 62.7,73.02 61.91,72.23 v3(59.53,72.23) ; v1(298.43,6.35) v1(294.46,6.35)
  vias: v3(203.98,90.48)
COL 8: length 681.6
  Top w0.2: v1(346.05,22.22) 346.11,22.28 377.12,22.28 377.85,23.01 v1(377.85,70.59) ; v1(411.14,107.15) 404.79,100.8 ; 404.79,100.8 v1(392.88,100.8) ; 404.79,100.8 398.44,94.45 398.44,76.2 397.64,75.4 v2(396.85,75.4) ; v3(236.52,50) 236.52,43.65 239.7,40.48 244.46,40.48 246.05,38.89 v3(246.05,30.16) ; v3(46.83,68.26) 52.51,68.26 57.94,73.69 57.94,76.2 v3(58.73,76.99) ; v3(228.59,105.56) 227.79,105.56 223.03,100.8 223.03,88.89 223.78,88.14 228.54,88.14 231.76,84.93 v3(231.76,78.58) v3(231.76,70.64) v3(231.76,61.11) ; v3(236.52,53.18) 234.94,54.77 v3(234.94,57.94) ; v1(342.08,100.8) v1(374.63,100.8) ; v1(338.91,18.26) v1(338.91,13.49)
  Bottom w0.2: 236.52,50.8 v3(236.52,50) ; 236.52,50.8 234.78,49.05 S23.1 ; 236.52,50.8 v3(236.52,53.18) ; v1(342.08,100.8) 277.8,100.8 277,100.01 v1(223.03,100.01) ; v1(346.05,22.22) 342.88,22.22 v1(338.91,18.26) ; v3(46.83,68.26) 45.24,68.26 43.65,69.85 33.73,69.85 32.93,70.64 32.93,78.98 29.85,82.07 A1.24 ; S76.1 338.91,12.6 v1(338.91,13.49) ; v3(231.76,78.58) 60.32,78.58 v3(58.73,76.99) ; S86.1 380.28,73.02 395.26,73.02 395.26,73.81 v2(396.85,75.4) ; v3(231.76,70.64) 229.33,68.21 S9.1 ; 230.11,110.96 230.11,107.09 v3(228.59,105.56) ; v3(246.05,30.16) 245.89,30 S36.1 ; S99.1 413.46,109.47 v1(411.14,107.15) ; v3(231.76,61.11) v3(234.94,57.94) ; v1(374.63,100.8) v1(392.88,100.8) ; S56.1 223.03,90.38
  vias: v3(223.03,90.48)